# Altium PCB Velvet_Controller_v1.1_2022.PcbDoc (part 2 of 3) (continued)
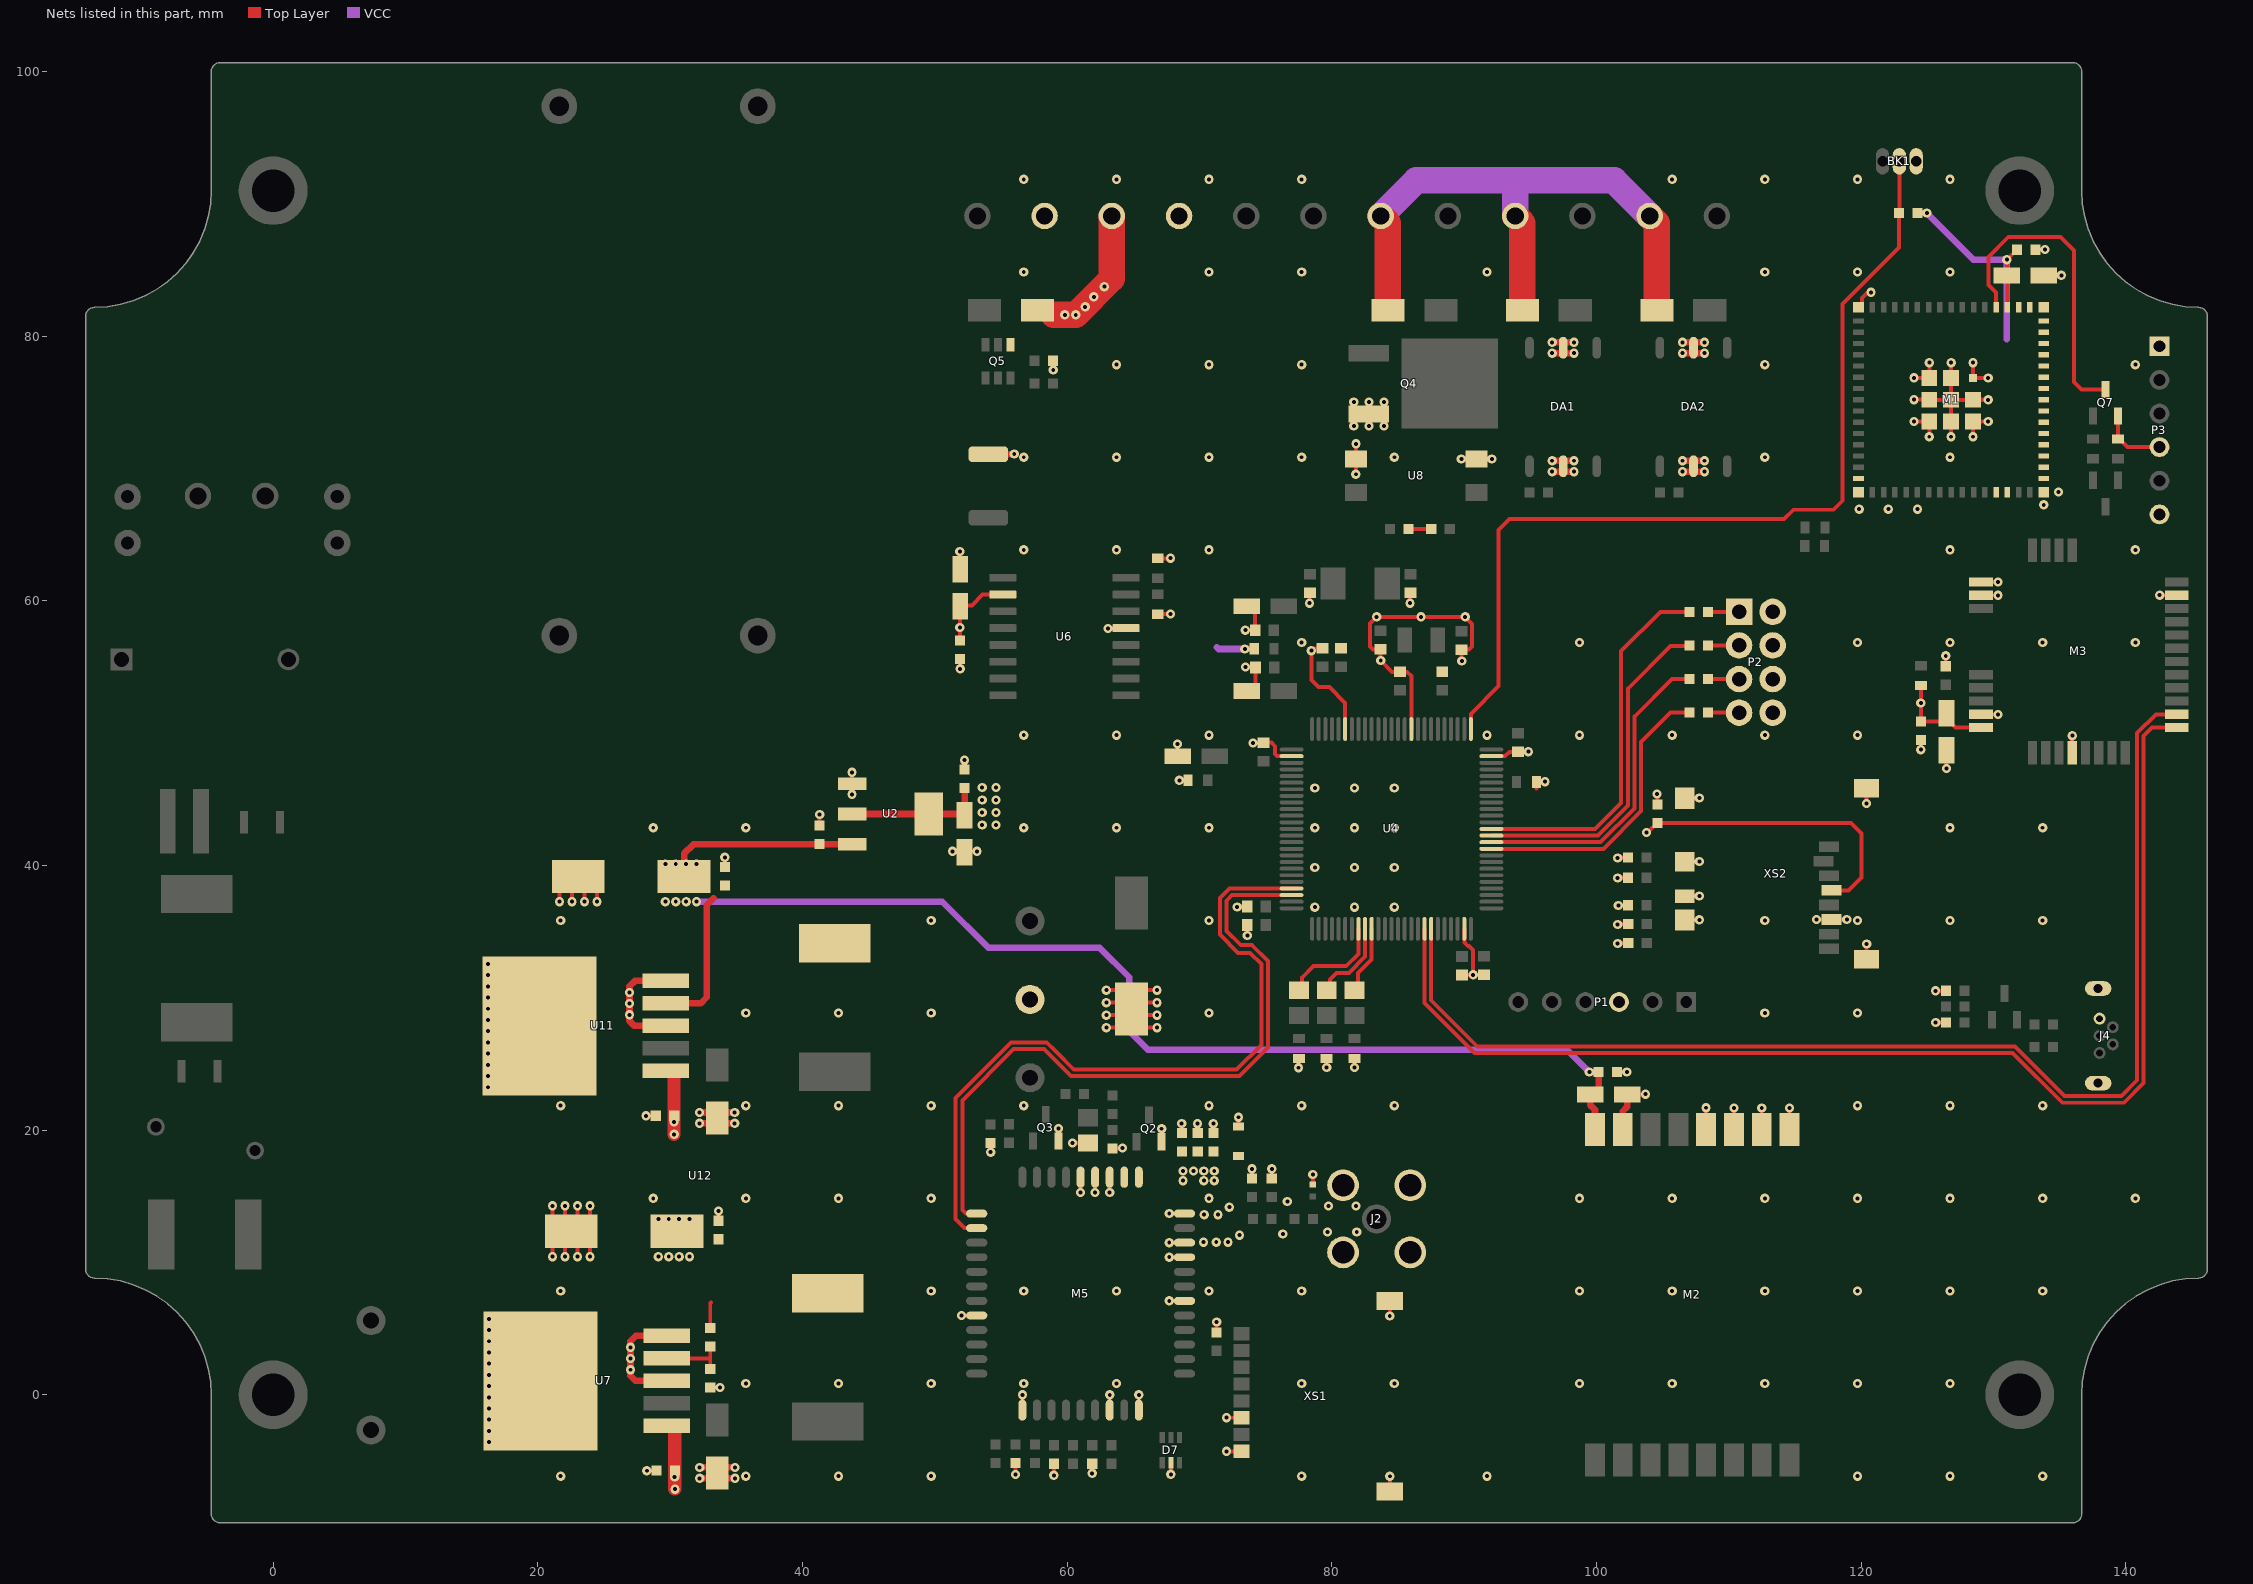
[diagram p4: the nets of this part, all layers, seen from the top]
## Part data (continued)
R40 R41: library part 1, "Chip Resistor", Case/Package=0603, Case Code (Metric)=1608, Manufacturer=Panasonic, Manufacturer Part Number=ERJ-3GEYJ220V, Max Operating Temperature=155°C, Max Power Dissipation=100mW, Min Operating Temperature=-55°C, Resistance=22R, Supplier Part Number 1=P22GDKR-ND, Temperature Coefficient=200ppm/°C, Tolerance=5%, Voltage Rating=75V, Voltage Rating (DC)=50V, Case Code (Imperial)=0603, ComponentLink1Description=https://datasheet.ciiva.com/11821/0900766b80f806dd-11821421.pdf, ComponentLink1URL=https://datasheet.ciiva.com/11821/0900766b80f806dd-11821421.pdf, ComponentLink2Description=https://datasheet.ciiva.com/16775/70255313-16775287.pdf, ComponentLink2URL=https://datasheet.ciiva.com/16775/70255313-16775287.pdf, ComponentLink3Description=https://datasheet.ciiva.com/17210/aoa0000ce1-17210855.pdf, ComponentLink3URL=https://datasheet.ciiva.com/17210/aoa0000ce1-17210855.pdf, ComponentLink4Description=https://datasheet.ciiva.com/24071/aoa0000ce1-37422-24071191.pdf, ComponentLink4URL=https://datasheet.ciiva.com/24071/aoa0000ce1-37422-24071191.pdf, ComponentLink5Description=https://datasheet.ciiva.com/28546/1678796-28546119.pdf, ComponentLink5URL=https://datasheet.ciiva.com/28546/1678796-28546119.pdf, ComponentLink6Description=https://datasheet.ciiva.com/48531/aoa0000ce1-48531767.pdf, ComponentLink6URL=https://datasheet.ciiva.com/48531/aoa0000ce1-48531767.pdf, ComponentLink7Description=https://datasheet.ciiva.com/28686/1678796-28686939.pdf, ComponentLink7URL=https://datasheet.ciiva.com/28686/1678796-28686939.pdf, ComponentLink8Description=https://datasheet.ciiva.com/5868/1500035-5868156.pdf, ComponentLink8URL=https://datasheet.ciiva.com/5868/1500035-5868156.pdf, ComponentLink9Description=https://datasheet.ciiva.com/9117/aoa0000ce1-9117118.pdf, ComponentLink9URL=https://datasheet.ciiva.com/9117/aoa0000ce1-9117118.pdf, ComponentLink10Description=https://datasheet.ciiva.com/16517/aoa0000ce1-16517054.pdf, ComponentLink10URL=https://datasheet.ciiva.com/16517/aoa0000ce1-16517054.pdf, Composition="Thick Film", Contact Plating=Tin, Depth=0.8mm, Features="Automotive AEC-Q200", Height=0.45mm, Lead Free="Lead Free", Length=1.6mm, Military Standard=Not, Mount="Surface Mount", Number of Terminations=2, Package Quantity=1, Packaging="Tape and Reel", Power Rating=100mW, Pricing 1="1=0.1, 10=0.054, 100=0.022, 1000=0.00988, 2500=0.00858 (USD)", Radiation Hardening=No, REACH SVHC="No SVHC", Stock 1=938288, Supplier 1=Digi-Key, Termination=SMD/SMT, Width=0.031inch
R73 R74 R75 R76 R77: library part 1, "Chip Resistor", Case/Package=0603, Case Code (Metric)=1608, Manufacturer=Panasonic, Manufacturer Part Number=ERJ-3EKF4702V, Max Operating Temperature=155°C, Max Power Dissipation=100mW, Min Operating Temperature=-55°C, Resistance=47k, Supplier Part Number 1=P47.0KHDKR-ND, Temperature Coefficient=100ppm/°C, Tolerance=1%, Voltage Rating=75V, Working Voltage=6V, Case Code (Imperial)=0603, ComponentLink1Description=https://datasheet.ciiva.com/6138/aoa0000ce2-6138149.pdf, ComponentLink1URL=https://datasheet.ciiva.com/6138/aoa0000ce2-6138149.pdf, ComponentLink2Description=https://datasheet.ciiva.com/48531/aoa0000ce2-48531029.pdf, ComponentLink2URL=https://datasheet.ciiva.com/48531/aoa0000ce2-48531029.pdf, ComponentLink3Description=https://datasheet.ciiva.com/7802/aoa0000ce2-7802421.pdf, ComponentLink3URL=https://datasheet.ciiva.com/7802/aoa0000ce2-7802421.pdf, ComponentLink4Description=https://datasheet.ciiva.com/16514/aoa0000ce2-16514071.pdf, ComponentLink4URL=https://datasheet.ciiva.com/16514/aoa0000ce2-16514071.pdf, ComponentLink5Description=https://datasheet.ciiva.com/46398/1678782-46398088.pdf, ComponentLink5URL=https://datasheet.ciiva.com/46398/1678782-46398088.pdf, ComponentLink6Description=https://datasheet.ciiva.com/24069/aoa0000ce2-24069209.pdf, ComponentLink6URL=https://datasheet.ciiva.com/24069/aoa0000ce2-24069209.pdf, ComponentLink7Description=https://datasheet.ciiva.com/46398/1678782-46398089.pdf, ComponentLink7URL=https://datasheet.ciiva.com/46398/1678782-46398089.pdf, ComponentLink8Description=https://datasheet.ciiva.com/30236/aoa0000ce2-30236698.pdf, ComponentLink8URL=https://datasheet.ciiva.com/30236/aoa0000ce2-30236698.pdf, ComponentLink9Description=https://datasheet.ciiva.com/22722/426256-22722781.pdf, ComponentLink9URL=https://datasheet.ciiva.com/22722/426256-22722781.pdf, ComponentLink10Description=https://datasheet.ciiva.com/7802/1678782-7802686.pdf, ComponentLink10URL=https://datasheet.ciiva.com/7802/1678782-7802686.pdf, ComponentLink11Description=https://datasheet.ciiva.com/16758/70260748-16758831.pdf, ComponentLink11URL=https://datasheet.ciiva.com/16758/70260748-16758831.pdf, Composition="Thick Film", Contact Plating=Tin, Depth=0.8mm, Features="Automotive AEC-Q200", Height=0.022inch, Lead Free="Lead Free", Length=1.6mm, Military Standard=Not, Mount="Surface Mount", Number of Pins=2, Number of Terminations=2, Package Quantity=1, Packaging="Tape and Reel", Power Rating=100mW, Pricing 1="1=0.1, 10=0.079, 100=0.0323, 1000=0.01449, 2500=0.01258 (USD)", Radiation Hardening=No, REACH SVHC="No SVHC", Stock 1=2918345, Supplier 1=Digi-Key, Termination=SMD/SMT, Voltage Rating (DC)=75V, Width=0.031inch
RV8: library part 11, Current - Surge=4.5kA, Manufacturer="EPCOS Inc", Manufacturer Part Number=S14K250, Maximum AC Volts=250VAC, Maximum DC Volts=320VDC, Package / Case="Disc 14mm", Supplier Part Number 1=495-4375-ND, Varistor Voltage (Min)=351V, Category="Circuit Protection", Code_IPC=RESC2012, ComponentLink1Description=http://www.epcos.com/inf/70/db/var_11/SIOV_Leaded_StandarD.pdf, ComponentLink1URL=http://www.epcos.com/inf/70/db/var_11/SIOV_Leaded_StandarD.pdf, Energy=65J, ID=11, LatestRevisionDate=29-May-2009, LatestRevisionNote="IPC-7351 Footprint Added.", Number of Circuits=1, PackageDescription="Chip Resistor 0805 Case Size", PackageReference=6-0805, PackageVersion=Mar-2003, Packaging=Bulk, Pricing 1="1=0.64, 10=0.449, 100=0.2959, 500=0.2192, 1000=0.18632, 5000=0.1644, 10000=0.15344 (USD)", Published=24-Mar-1999, Publisher="Altium Limited", RoHS="RoHS Compliant", Stock 1=1402, Supplier 1=Digi-Key
TVS2: library part TVS-LXE15AAA1-153
U4: "ARM Cortex-M4 32-bit MCU+FPU, 210 DMIPS, 1024 kB Flash, 192 kB Internal RAM, 82 I/Os, 100-pin LQFP, -40 to 85 degC, Tray", Case/Package=LQFP, Frequency=168MHz, Manufacturer=STMicroelectronics, Manufacturer Part Number=STM32F407VGT6, Max Operating Temperature=85°C, Max Supply Voltage=3.6V, Min Operating Temperature=-40°C, Min Supply Voltage=1.8V, Package Quantity=90, Supplier Part Number 1=497-11605-ND, Address Bus Width=32b, ComponentLink1Description="Manufacturer URL", ComponentLink1URL=http://www.st.com/web/en/home.html, ComponentLink2Description=Datasheet, ComponentLink2URL=http://www.st.com/st-web-ui/static/active/en/resource/technical/document/datasheet/DM00037051.pdf, ComponentLink3Description="Package Specification", ComponentLink3URL=http://www.st.com/st-web-ui/static/active/en/resource/technical/document/data_brief/DM00071938.pdf, ComponentLink4Description=https://datasheet.ciiva.com/14132/stm32f407vgt6-tds-eng-14132567.pdf, ComponentLink4URL=https://datasheet.ciiva.com/14132/stm32f407vgt6-tds-eng-14132567.pdf, ComponentLink5Description=https://datasheet.ciiva.com/4842/dm00037051-492832-4842280.pdf, ComponentLink5URL=https://datasheet.ciiva.com/4842/dm00037051-492832-4842280.pdf, ComponentLink6Description=https://datasheet.ciiva.com/48687/001075599-da-01-en-mcu-32bt-1mb-stm32f407vgt6-lqfp-100-stm-48687547.pdf, ComponentLink6URL=https://datasheet.ciiva.com/48687/001075599-da-01-en-mcu-32bt-1mb-stm32f407vgt6-lqfp-100-stm-48687547.pdf, Core Architecture=ARM, Data Bus Width=32b, Height=1.45mm, Interface=I2C,SPI,USB,CAN,Ethernet,I2S,IrDA,UART,USART,LIN,EBI/EMI, Lead Free="Lead Free", Length=14.2mm, Max Frequency=168MHz, Memory Size=1024KB, Memory Type=FLASH, Number of ADC Channels=16, Number of Ethernet Channels=1, Number of I2C Channels=3, Number of I/Os=82, Number of Pins=100, Number of Programmable I/O=82, Number of PWM Channels=2, Number of SPI Channels=3, Number of Timers/Counters=14, Number of UART Channels=2, Oscillator Type=Internal, Packaging=Tray, Peripherals="Brown-out Detect/Reset,POR,PWM,WDT,DMA,LCD,I2C", Pricing 1="1=12.74, 10=11.713, 100=9.8925, 500=8.80006, 1000=8.07177 (USD)", Radiation Hardening=No, RAM Size=196KB, REACH SVHC="No SVHC", Stock 1=9556, Supplier 1=Digi-Key, Watchdog Timer=Yes, Width=14.2mm
U6: library part DS3231M-IL16-RTC, "+/-5ppm, MEMS based Real-Time Clock, I2C Interface, 16-Pin SO, -40 to 85 degC, Pb-Free, Reel", Code_IPC=SOIC127P1030-16, Code_JEDEC=MS-013-AA, ComponentLink1Description="Manufacturer URL", ComponentLink1URL=http://www.maxim-ic.com, ComponentLink2Description=Datasheet, ComponentLink2URL=http://datasheets.maxim-ic.com/en/ds/DS3231M.pdf, ComponentLink3Description="Package Specification", ComponentLink3URL=http://pdfserv.maxim-ic.com/package_dwgs/21-0042.PDF, DatasheetVersion="Rev 3, Dec-2011", PackageDescription="16-Pin Small-Outline IC, Wide (0.3in), 1.27 mm Pitch, SOIC (W), Pb-Free", PackageReference=W16MK+1, PackageVersion="revD, 2010"
U8: "4-Pin Phototransistor Optocoupler", Case/Package=SMD/SMT, Clamping Voltage=14.5V, Collector Emitter Saturation Voltage=300mV, Collector Emitter Voltage (VCEO)=80V, Current Transfer Ratio=400%, Forward Current=20mA, Forward Voltage=1.4V, Isolation Voltage=3.75kV, Manufacturer=Toshiba, Manufacturer Part Number=LTV-817S-TA1, Max Collector Current=50mA, Max Operating Temperature=110°C, Max Power Dissipation=200mW, Max Reverse Leakage Current=20uA, Min Breakdown Voltage=7.2V, Min Operating Temperature=-55°C, Package Quantity=1, Peak Pulse Current=160A, Peak Pulse Power=400W, Reverse Standoff Voltage=6.5V, Supplier Part Number 1=TLP184(TPRE)CT-ND, Test Current=10mA, ComponentLink1Description=https://datasheet.ciiva.com/2086/tlp184-datasheet-en-20140908-2086688.pdf?src-supplier=Digi-Key, ComponentLink1URL=https://datasheet.ciiva.com/2086/tlp184-datasheet-en-20140908-2086688.pdf?src-supplier=Digi-Key, Direction=Unidirectional, Element Configuration=Single, Max Output Voltage=80V, Mount="Surface Mount", Number of Channels=1, Number of Elements=1, Number of Pins=4, Output Current per Channel=50mA, Packaging="Tape and Reel", Power Dissipation=200mW, Pricing 1="1 = 0,73000, 10 = 0,52800, 25 = 0,43080, 100 = 0,34460, 250 = 0,29076, 500 = 0,24768, 1000 = 0,19384 (USD)", Radiation Hardening=No, RoHS=Yes, Stock 1=8604, Supplier 1=Digi-Key
U12: "AC-DC ~230-12"
XS1: library part "WE-Card Connectors 693022010811", "WR-CRD Micro SIM_Hinge_8 pins", Manufacturer="Würth Elektronik eiSos GmbH", partNo=693022010811, ComponentLink1 Description=Manufacturer, ComponentLink1URL=http://www.we-online.de, ComponentLink2 Description=Datasheet, ComponentLink2URL=http://katalog.we-online.de/em/datasheet/693022010811.pdf, Created by="Karrer Zheng", Created Date=10/20/2014, NoPins=8
XS2: library part MICROSD, "=Description", Manufacturer=Molex, Manufacturer Part Number=105162-0001, Max Operating Temperature=85°C, Max Voltage Rating (DC)=5V, Min Operating Temperature=-40°C, Package Quantity=6000, Supplier Part Number 1=WM14405DKR-ND, ComponentLink1Description=https://datasheet.ciiva.com/29723/1051620101-sd-29723393.pdf, ComponentLink1URL=https://datasheet.ciiva.com/29723/1051620101-sd-29723393.pdf, Connector Type=Connector, Contact Material=Bronze, Contact Plating=Gold, Depth=7.6mm, Housing Material=Thermoplastic, Length=11.3mm, Mount="Surface Mount", Number of Circuits=8, Number of Contacts=8, Number of Rows=1, Orientation="Right Angle", Packaging="Tape and Reel", Pitch=1.09mm, Pricing 1="1=0.88, 10=0.774, 100=0.6677, 500=0.54628, 1000=0.48558 (USD)", Radiation Hardening=No, Stock 1=9741, Supplier 1=Digi-Key, Termination=Solder
Y1: library part 1, "Crystal Oscillator", Case/Package=CSMD, ESR (Equivalent Series Resistance)=500R, Frequency=8MHz, Frequency Stability=30ppm, Frequency Tolerance=20ppm, Load Capacitance=18pF, Manufacturer="Abracon Corporation", Manufacturer Part Number=ABM3-8.000MHZ-D2Y-T, Max Operating Temperature=85°C, Min Operating Temperature=-40°C, Package Quantity=1000, Supplier Part Number 1=535-10630-1-ND, ComponentLink1Description=https://datasheet.ciiva.com/4945/abm3-47699-4945424.pdf, ComponentLink1URL=https://datasheet.ciiva.com/4945/abm3-47699-4945424.pdf, ComponentLink2Description=https://datasheet.ciiva.com/862/abm3-862465.pdf, ComponentLink2URL=https://datasheet.ciiva.com/862/abm3-862465.pdf, ComponentLink3Description=https://datasheet.ciiva.com/862/abm3-862466.pdf, ComponentLink3URL=https://datasheet.ciiva.com/862/abm3-862466.pdf, ComponentLink4Description=https://datasheet.ciiva.com/862/abm3-862467.pdf, ComponentLink4URL=https://datasheet.ciiva.com/862/abm3-862467.pdf, ComponentLink5Description=https://datasheet.ciiva.com/1357/1754353-1357270.pdf, ComponentLink5URL=https://datasheet.ciiva.com/1357/1754353-1357270.pdf, ComponentLink6Description=https://datasheet.ciiva.com/3174/abm3-3174137.pdf, ComponentLink6URL=https://datasheet.ciiva.com/3174/abm3-3174137.pdf, ComponentLink7Description=https://datasheet.ciiva.com/26812/getdatasheetpartid-723821-26812186.pdf, ComponentLink7URL=https://datasheet.ciiva.com/26812/getdatasheetpartid-723821-26812186.pdf, ComponentLink8Description=https://datasheet.ciiva.com/5788/abm3-5788043.pdf, ComponentLink8URL=https://datasheet.ciiva.com/5788/abm3-5788043.pdf, ComponentLink9Description=https://datasheet.ciiva.com/16392/abm3-16392475.pdf, ComponentLink9URL=https://datasheet.ciiva.com/16392/abm3-16392475.pdf, ComponentLink10Description=https://datasheet.ciiva.com/7998/abm3-7998589.pdf, ComponentLink10URL=https://datasheet.ciiva.com/7998/abm3-7998589.pdf, Composition=Ceramic, Depth=3.2mm, Height=0.051inch, ID=1, LatestRevisionDate=02-Jul-2014, Lead Free="Lead Free", Length=5mm, Mount="Surface Mount", Number of Pins=2, Packaging="Tape and Reel", Pricing 2="1=0.63, 10=0.523, 50=0.4702, 100=0.418, 500=0.3971 (USD)", Publisher="Ruslan Gimazetdinov", Radiation Hardening=No, REACH SVHC=Unknown, Series Resistance=500R, Stock 2=119467, Supplier 1=Digi-Key, Supplier 2=Digi-Key, Supplier Part Number 2=535-10630-6-ND, Termination=SMD/SMT, Tolerance=20ppm, Width=3.2mm
Y2: library part 1, "Crystal Oscillator", Case/Package=SMD/SMT, ESR (Equivalent Series Resistance)=70kR, Frequency=32.768kHz, Frequency Tolerance=20ppm, Load Capacitance=12.5pF, Manufacturer="ECS International", Manufacturer Part Number=ECS-.327-12.5-34B-TR, Max Operating Temperature=85°C, Min Operating Temperature=-40°C, Package Quantity=3000, Supplier Part Number 1=XC1617DKR-ND, ComponentLink1Description=http://www.ecsxtal.com/store/pdf/partnumber4.pdf, ComponentLink1URL=http://www.ecsxtal.com/store/pdf/partnumber4.pdf, ComponentLink2Description=http://www.mouser.com/ds/2/122/ecx-31b-1108368.pdf, ComponentLink2URL=http://www.mouser.com/ds/2/122/ecx-31b-1108368.pdf, Height=0.035inch, Length=0.126inch, Mount="Surface Mount", Number of Pins=2, Packaging="Tape and Reel", Pricing 1="1=0.54, 10=0.448, 50=0.4034, 100=0.3586, 500=0.34068, 1000=0.28688 (USD)", Stock 1=274347, Supplier 1=Digi-Key, Termination=SMD/SMT, Width=0.059inch

## Free pads (board coordinates)
  round 5.2 hole 3.2: MH(0,0) MH(0,91) MH(132,0) MH(132,91)

## Via types
v1: diameter 0.7, hole 0.3, Top Layer to Bottom Layer, tented both sides, 438 vias

## Nets (pads, with @x,y where several pads share a name; then routed paths per layer and width w, separated by ;. In a path a pad name is that pad's centre, name@x,y a point inside that pad or via, vN(x,y) a via of type N, cw(c..) or ccw(c..) an arc to the next point about the centre after c; other vN are vias at no path point)
"1 Wire_TMP": BK1.2 R42.1 U4.1 | length 70.2
  Top Layer w0.3: U4.1@90.515,50.311 90.515,51.46 92.616,53.561 92.616,65.362 93.431,66.176 114.184,66.176 114.89,66.883 117.911,66.883 118.593,67.564 118.593,82.423 122.857,86.687 R42.1@122.857,89.294 ; R42.1@122.895,89.332 BK1.2@122.895,93.214
4V_FB: R21.2 R22.2 U7.4 | length 4.8
  Top Layer w0.3: U7.4@29.753,2.754 32.885,2.754 ; R22.2@33.032,1.949 33.032,2.901 R21.2@33.032,3.656
12V_VDD: C38.2 C44.2 D1.2 J5.2 Q5.4 U7.1 U11.1 | length 22.6
  Top Layer w0.5: C44.2@30.367,-5.736 U7.1@30.367,-2.539
  Top Layer w1: U11.1@30.292,24.283 30.292,19.695 v1(30.302,19.685) ; v1@30.35,-7.127 U7.1@30.35,-2.539
  Top Layer w2: D1.2@58.998,81.613 v1(59.826,81.613) v1(60.655,81.613) 63.379,84.337 J5.2@63.379,89.082
  other v1: 30.36,-7.137 30.344,-6.208 30.287,20.615 61.366,82.22 62.017,82.975 62.814,83.744
+3.3V: C3.1 C9.1 C32.2 C33.2 C34.1 C36.1 C37.2 C40.2 C64.2 L3.1 L9.1 M1.3 M3.24 P2.2 P2.4 P3.1 R2.2 R4.1 R25.1 R37.1 R42.2 R73.2 R74.2 R75.2 R76.2 R77.2 U2.2 U6.2 XS2.4 | length 76.3
  Top Layer w0.3: C37.2@51.898,57.001 51.898,59.577 51.977,59.656 52.798,59.656 53.619,60.477 U6.2@55.143,60.477 ; R25.1@66.853,58.991 66.86,58.998 67.761,58.998 v1@67.767,59.004 ; R4.1@66.859,63.215 v1@67.761,63.215 ; v1(68.478,46.431) 69.123,46.431 L3.1@69.135,46.443 ; v1@101.556,40.598 R73.2@102.33,40.598 ; v1@101.61,36.995 R75.2@102.384,36.995 ; v1@101.632,34.135 R76.2@102.407,34.135 ; v1@101.632,35.565 R77.2@102.407,35.565 ; v1@101.632,39.074 R74.2@102.384,39.074 R74.2@102.407,39.074 ; v1(103.784,42.494) 103.842,42.552 103.953,42.552 C64.2@104.607,43.205 119.233,43.205 120.034,42.404 120.034,39.087 119.063,38.116 XS2.4@117.774,38.116 ; R42.2@124.254,89.294 124.968,89.294 v1(124.968,89.306) ; R2.2@124.521,53.593 124.521,51.455 C33.2@124.521,50.874 C34.1@126.298,50.874 ; v1@125.631,30.531 R37.1@126.408,30.531 ; C34.1@126.457,51.501 126.457,51.101 127.136,50.422 M3.24@129.058,50.422 ; C9.1@131.02,84.595 v1(131.02,85.779) C32.2@131.772,86.531 ; C9.1@131.026,84.595 131.057,84.563 M1.3@131.057,82.198
  Top Layer w0.5: U2.2@43.755,43.891 U2.2@49.555,43.891 52.18,43.891 C3.1@52.26,43.811 C40.2@52.26,45.864 ; v1(73.431,56.363) 73.438,56.369 74.133,56.369 L9.1@74.14,56.375
  VCC w0.5: 71.323,56.49 71.45,56.363 v1(73.431,56.363) ; v1(124.968,89.306) 128.496,85.779 v1(131.02,85.779) 131.02,79.763
  other v1: 125.623,30.523 101.607,34.11 101.607,35.54 101.66,36.97 101.607,39.048 101.607,40.573 53.58,43.056 54.624,43.056 53.58,44.002 54.624,44.002 53.58,44.949 54.624,44.949 53.58,45.895 54.624,45.895 124.521,52.286 51.892,57.988 67.818,59.004 67.818,63.222
+4V: C5.2 C8.2 C28.2 C43.1 C49.2 D6.1 D12.1 L8.2 M5.34 M5.35 R21.1 | length 3.1
  Top Layer w0.3: R21.1@33.032,5.053 33.032,6.92 33.098,6.986 ; v1(60.409,19.034) D6.1@61.578,19.034
  other v1: 29.108,10.439 29.896,10.439 30.683,10.439 31.471,10.439 29.108,13.284 29.896,13.284 30.683,13.284 31.471,13.284 68.758,16.18 70.333,16.18 71.12,16.18 68.758,16.916 69.545,16.916 70.333,16.916 71.12,16.916
+5V: C4.2 C6.2 C7.1 C39.2 C41.1 L7.2 M2.9 U2.3 U11.4 | length 106.5
  Top Layer w0.5: U11.4@29.678,29.576 32.313,29.576 32.772,30.035 32.772,37.02 33.28,37.528 ; C41.1@31.057,39.181 31.057,40.894 31.754,41.591 U2.3@43.755,41.591 ; v1(99.466,24.384) 99.468,24.386 100.173,24.386 C6.2@100.175,24.387 100.175,23.055 99.825,22.705 C7.1@99.524,22.705 99.524,21.905 99.895,21.533 M2.9@99.895,20.056
  VCC w0.5: v1(32,37.262) 50.572,37.262 54.051,33.782 62.459,33.782 64.694,31.547 64.694,27.483 66.091,26.086 97.765,26.086 v1(99.466,24.384)
  other v1: 29.638,37.262 30.425,37.262 31.212,37.262 29.638,40.106 30.425,40.106 31.212,40.106 32,40.106
+12V: R14.2 R15.2 | length 1.7
  Top Layer w0.3: R15.2@85.814,65.43 86.395,65.43 R14.2@87.521,65.43
+24V: D8.2 D10.2 D11.2 J1.2 J6.2 J7.2 | length 46
  Top Layer w2: J1.2@83.701,89.082 84.241,88.542 D8.2@84.241,82.369 ; J6.2@93.863,89.082 94.403,88.542 D10.2@94.403,82.369 ; J7.2@104.026,89.082 104.566,88.542 D11.2@104.566,82.369
  VCC w2: J1.2@83.701,89.082 86.389,91.77 93.863,91.77 ; J6.2@93.863,89.082 93.863,91.77 ; J7.2@104.026,89.082 101.338,91.77 93.863,91.77
DTR: P3.4 Q7.2 R11.2 | length 5.6
  Top Layer w0.3: Q7.2@139.427,73.965 R11.2@139.427,72.238 139.527,72.238 140.15,71.615 P3.4@143.062,71.615
GND: BAT1.2 BK1.1 C3.2 C4.1 C5.1 C6.1 C7.2 C8.1 C9.2 C10.2 C11.2 C12.2 C13.2 C14.1 C15.1 C16.2 C17.1 C18.1 C19.1 C20.1 C21.1 C22.1 C23.1 C24.2 C25.1 C26.2 C27.1 C28.1 C29.1 C30.1 C31.1 C32.1 C33.1 C34.2 C35.1 C36.2 C37.1 C38.1 C39.1 C40.1 C41.2 C42.2 C43.2 C44.1 C45.1 C46.1 C47.1 C48.1 C49.1 C64.1 D2.1 D7.2 D9.1 D12.2 DA1.2 DA1.5 DA2.2 DA2.5 J2.2 J3.1 J4.5 J4.S J5.1 M1.1 M1.2 M1.30 M1.42 M1.43 M1.46 M1.47 M1.48 M1.49 M1.50 M1.51 M1.52 M1.53 M1.54 M1.55 M1.56 M1.57 M1.58 M1.59 M1.60 M1.61 M1.62 M1.63 M1.64 M1.65 M2.10 M2.13 M2.14 M2.15 M2.16 M3.11 M3.17 M3.18 M3.23 M3.28 M5.8 M5.13 M5.19 M5.21 M5.27 M5.30 M5.31 M5.33 M5.36 M5.37 P1.3 P2.6 P2.8 P3.6 Q2.2 Q3.2 Q4.3 R6.2 R7.1 R8.2 R9.2 R10.1 R13.1 R22.1 R24.2 R39.1 TVS2.1 U2.1 U4.10 U4.20 U4.27 U4.74 U4.99 U6.13 U7.3 U7.5 U7.6 U8.2 U8.3 U11.3 U11.5 U11.6 U12.4 XS1.C7 XS1.C8 XS1.Z1 XS1.Z2 XS2.6 XS2.9 XS2.10 | length 247.4
  Top Layer w0.3: v1(21.108,10.439) v1(21.108,14.277) ; v1(21.638,37.262) C41.2@21.638,39.421 ; v1(22.055,10.439) v1(22.055,14.277) ; v1(22.584,37.262) C41.2@22.584,39.878 ; v1(23.001,10.439) v1(23.001,14.277) ; v1(23.53,37.262) C41.2@23.53,40.056 ; v1(23.948,10.439) v1(23.948,14.277) ; v1(24.477,37.262) C41.2@24.477,39.827 ; v1@28.187,21.086 C38.1@28.912,21.086 ; v1@28.245,-5.736 C44.1@28.97,-5.736 ; R22.1@33.032,0.552 v1@33.757,0.552 ; C5.1@33.653,13.148 v1@33.653,13.873 ; v1(34.138,40.615) 34.143,40.609 34.143,39.884 C4.1@34.149,39.878 ; C39.1@41.3,43.015 v1(41.3,43.848) ; v1(43.739,45.375) U2.1@43.739,46.208 ; v1(43.739,47.041) U2.1@43.739,46.208 ; U2.1@43.755,46.191 U2.1@43.739,46.208 ; v1(51.333,41.072) 52.199,41.072 C3.2@52.26,41.011 52.32,41.072 v1(53.188,41.072) ; v1(51.892,63.729) 51.892,62.434 C36.2@51.923,62.402 ; C37.1@51.898,55.604 51.908,55.594 51.908,54.874 v1(51.918,54.864) ; v1@52.025,5.993 M5.8@53.169,5.993 ; v1(52.248,47.955) 52.254,47.949 52.254,47.267 C40.1@52.26,47.261 ; v1@54.215,18.348 R13.1@54.215,19.034 ; v1@56.115,-6.013 C48.1@56.115,-5.146 ; M5.13@56.619,-1.157 v1@56.619,-0.012 ; R24.2@58.925,78.143 58.939,78.129 58.939,77.306 v1@58.953,77.292 ; v1@59.008,-6.077 C47.1@59.008,-5.21 ; Q3.2@59.36,19.431 v1@59.36,20.117 ; v1(61.011,15.291) 61.015,15.295 61.015,16.439 M5.37@61.019,16.443 ; v1@61.901,-6.077 C46.1@61.901,-5.21 ; v1@62.119,15.299 M5.37@62.119,16.443 ; v1(62.962,27.74) v1(66.8,27.74) ; v1(62.962,28.686) v1(66.8,28.686) ; v1(62.962,29.633) v1(66.8,29.633) ; v1(62.962,30.579) v1(66.8,30.579) ; v1(63.094,57.912) 63.106,57.925 64.441,57.925 U6.13@64.453,57.937 ; M5.19@63.219,-1.157 v1@63.219,-0.012 ; v1@63.219,15.299 M5.36@63.219,16.443 ; R10.1@63.425,18.615 64.156,18.615 v1(64.194,18.653) ; M5.21@65.419,-1.157 v1@65.419,-0.012 ; Q2.2@67.158,19.406 v1@67.158,20.091 ; v1@67.725,7.093 M5.27@68.869,7.093 ; v1@67.725,10.393 M5.30@68.869,10.393 ; v1@67.725,11.493 M5.31@68.869,11.493 ; v1@67.725,13.693 M5.33@68.869,13.693 ; v1@67.852,-5.998 D7.2@67.852,-5.131 ; v1(68.351,49.174) 68.351,48.273 C16.2@68.367,48.257 ; v1(68.656,20.498) 68.668,20.486 68.668,19.801 C8.1@68.679,19.789 ; C28.1@69.872,19.789 v1@69.872,20.475 ; C49.1@71.066,19.789 v1@71.066,20.475 ; C45.1@71.306,4.721 71.306,5.499 v1(71.307,5.499) ; v1@72.043,-4.276 XS1.C8@73.187,-4.276 ; v1@72.043,-1.736 XS1.C7@73.187,-1.736 ; v1(72.857,36.868) 72.88,36.891 C15.1@73.615,36.891 ; D12.2@72.963,20.276 v1@72.963,20.962 ; v1(73.465,57.784) C27.1@74.206,57.784 ; v1(73.482,54.991) 74.224,54.991 C25.1@74.24,54.975 74.24,53.625 73.79,53.175 C24.2@73.569,53.175 ; C26.2@73.569,59.586 73.764,59.586 74.214,59.136 C27.1@74.214,57.776 ; C18.1@73.605,35.491 73.612,35.484 73.612,34.741 v1@73.619,34.734 ; C29.1@73.973,16.341 v1(73.973,17.078) ; v1(74.051,49.263) 74.058,49.27 74.831,49.27 C19.1@74.838,49.277 75.433,49.277 75.702,49.009 75.702,48.437 75.877,48.261 U4.27@76.965,48.261 ; C30.1@75.468,16.341 v1(75.468,17.078) ; v1(77.495,24.714) 77.495,25.398 R6.2@77.515,25.418 ; v1(78.325,59.824) C13.2@78.325,60.578 ; TVS2.1@78.571,15.904 v1(78.571,16.642) ; C20.1@79.299,56.428 79.285,56.413 78.638,56.413 v1(78.461,56.236) 78.461,54.026 78.994,53.492 79.815,53.492 81.015,52.292 U4.20@81.015,50.311 ; v1(79.618,24.734) R8.2@79.618,25.418 ; v1(81.722,24.734) R9.2@81.722,25.418 ; v1@81.826,69.57 U8.3@81.826,70.714 v1@81.826,71.859 ; XS1.Z1@84.387,-7.306 v1@84.387,-6.161 ; v1@84.387,5.95 XS1.Z2@84.387,7.094 ; C21.1@85.023,54.51 84.9,54.633 84.556,54.633 v1(83.703,55.486) 83.691,55.497 C12.2@83.691,56.336 83.107,56.336 82.891,56.551 82.891,58.281 v1(83.399,58.788) v1(86.739,58.788) v1(90.079,58.788) 90.616,58.252 90.616,56.538 90.385,56.307 C10.2@89.816,56.307 v1@89.816,55.469 ; C21.1@85.15,54.637 85.686,54.637 86.015,54.307 U4.10@86.015,50.311 ; v1(85.914,59.824) C11.2@85.914,60.578 ; v1@89.801,70.714 U8.2@90.945,70.714 v1@92.089,70.714 ; C14.1@89.846,31.723 90.673,31.723 v1(90.688,31.737) ; U4.74@90.015,35.211 90.015,34.191 90.277,33.929 90.385,33.929 90.688,33.627 v1(90.688,31.737) ; C17.1@91.5,31.734 90.691,31.734 v1(90.688,31.737) ; U4.99@92.065,48.261 93.089,48.261 93.417,48.589 C23.1@94.066,48.589 v1@94.864,48.589 ; v1@94.729,48.589 v1@94.743,48.603 ; 95.466,45.812 95.476,45.822 ; R7.1@95.476,46.33 v1(96.114,46.33) ; C6.1@101.572,24.387 102.286,24.387 v1(102.295,24.397) ; C7.2@102.324,22.705 103.702,22.705 v1(103.718,22.72) ; C64.1@104.607,44.602 v1@104.607,45.377 ; XS2.10@106.674,35.876 v1@107.761,35.876 ; XS2.10@106.674,37.676 v1@107.761,37.676 ; XS2.10@106.674,40.276 107.761,40.276 v1(107.782,40.297) ; XS2.10@106.674,45.076 v1@107.761,45.076 ; v1(108.28,21.692) 108.28,20.071 M2.13@108.295,20.056 ; M2.14@110.395,20.056 v1(110.395,21.677) ; M2.15@112.495,20.056 v1(112.495,21.677) ; M2.16@114.595,20.056 v1(114.595,21.677) ; v1@116.629,35.916 XS2.6@117.774,35.916 v1@118.918,35.916 ; M1.63@119.807,82.198 120.057,82.448 120.057,82.872 v1@120.498,83.312 ; XS2.9@120.424,32.926 v1@120.424,34.07 ; v1@120.424,44.681 XS2.9@120.424,45.826 ; v1@124.013,73.548 M1.61@125.157,73.548 v1@125.157,72.403 ; v1@124.013,75.198 M1.61@125.157,75.198 125.162,75.193 M1.61@126.807,75.193 ; v1@124.013,76.848 M1.61@125.157,76.848 v1@125.157,77.992 ; v1(124.52,48.755) C33.1@124.521,49.477 ; v1@125.646,28.138 R39.1@126.422,28.138 ; C35.1@126.4,55.054 v1(126.4,55.842) ; v1(126.451,47.333) 126.457,47.339 C34.2@126.457,48.701 ; v1(126.803,72.399) 126.807,72.403 M1.61@126.807,73.548 M1.61@126.807,75.193 ; v1(126.812,77.996) 126.807,77.992 M1.61@126.807,76.848 M1.61@126.807,75.198 M1.61@126.807,75.193 ; v1@128.457,72.403 M1.61@128.457,73.548 v1@129.602,73.548 ; M1.61@128.457,75.198 v1@129.602,75.198 ; v1@128.457,77.992 M1.61@128.457,76.848 v1@129.602,76.848 ; M3.23@129.058,51.422 v1@130.337,51.422 ; M3.18@129.058,60.422 v1@130.337,60.422 ; M3.17@129.058,61.422 v1@130.337,61.422 ; v1(129.606,75.193) M1.61@126.807,75.193 ; C32.1@133.169,86.531 133.179,86.541 133.883,86.541 v1(133.893,86.55) ; C9.2@133.82,84.595 v1(135.138,84.595) ; M3.28@135.958,48.522 v1@135.958,49.801 ; v1@142.579,60.422 M3.11@143.858,60.422
  Top Layer w0.5: U11.3@29.678,27.876 27.311,27.876 26.93,28.257 26.93,30.866 27.34,31.276 U11.5@29.678,31.276 ; U7.3@29.753,1.054 27.386,1.054 27.005,1.435 27.005,4.044 27.415,4.454 U7.5@29.753,4.454 ; v1(32.215,20.51) v1(34.882,20.51) ; v1(32.215,21.334) v1(34.882,21.334) ; v1(32.23,-6.313) v1(34.897,-6.313) ; v1(32.23,-5.489) v1(34.897,-5.489) ; BAT1.2@54.05,71.078 54.059,71.086 55.999,71.086 v1(56.007,71.095) ; v1(81.669,73.208) v1(81.669,75.028) ; Q4.3@82.685,74.221 82.788,74.118 82.812,74.141 v1(82.812,75.028) ; v1(82.812,73.208) Q4.3@82.812,74.094 ; v1(83.955,73.208) v1(83.955,75.028) ; v1(96.655,69.761) v1(98.306,69.761) ; v1(96.655,70.585) v1(98.306,70.585) ; v1(96.655,78.711) v1(98.306,78.711) ; v1(96.655,79.535) v1(98.306,79.535) ; DA1.5@97.398,78.857 97.468,78.926 DA1.5@97.468,79.123 ; M2.10@101.995,20.056 101.995,21.429 102.324,21.758 C7.2@102.324,22.705 ; v1(106.51,69.761) v1(108.161,69.761) ; v1(106.51,70.585) v1(108.161,70.585) ; v1(106.51,78.711) v1(108.161,78.711) ; v1(106.51,79.535) v1(108.161,79.535)
  other v1: 21.725,-6.15 35.725,-6.15 42.725,-6.15 49.725,-6.15 77.725,-6.15 84.391,-6.157 91.725,-6.15 119.725,-6.15 126.725,-6.15 133.725,-6.15 58.998,-6.086 56.106,-6.023 67.842,-6.008 61.891,-5.934 28.239,-5.742 72.039,-4.272 16.305,-3.581 16.305,-2.734 16.305,-1.886 72.039,-1.732 16.305,-1.039 16.305,-0.192 56.623,-0.008 63.223,-0.008 65.423,-0.008 33.763,0.558 16.305,0.656 35.725,0.85 42.725,0.85 49.725,0.85 56.725,0.85 63.725,0.85 77.725,0.85 84.725,0.85 98.725,0.85 105.725,0.85 112.725,0.85 119.725,0.85 126.725,0.85 16.305,1.503 27.005,1.892 16.305,2.351 27.005,2.739 16.305,3.198 27.005,3.587 16.305,4.046 16.305,4.893 16.305,5.741 84.383,5.946 52.021,5.997 67.721,7.098 21.725,7.85 49.725,7.85 56.725,7.85 63.725,7.85 70.725,7.85 77.725,7.85 98.725,7.85 105.725,7.85 112.725,7.85 119.725,7.85 126.725,7.85 133.725,7.85 67.721,10.397 67.721,11.498 70.307,11.532 71.272,11.532 72.161,11.532 73.025,12.065 76.302,12.141 79.68,12.294 81.89,12.294 70.358,13.614 71.399,13.614 67.721,13.698 33.647,13.879 72.263,14.173 79.756,14.275 81.839,14.275 76.647,14.609 28.725,14.85 35.725,14.85 42.725,14.85 49.725,14.85 70.725,14.85 98.725,14.85 105.725,14.85 112.725,14.85 119.725,14.85 126.725,14.85 133.725,14.85 140.725,14.85 62.115,15.295 63.215,15.295 54.226,18.337 67.146,20.103 59.348,20.128 69.861,20.486 71.054,20.486 72.952,20.973 28.181,21.08 21.725,21.85 35.725,21.85 42.725,21.85 49.725,21.85 56.725,21.85 70.725,21.85 77.725,21.85 84.725,21.85 119.725,21.85 126.725,21.85 133.725,21.85 16.231,23.241 16.231,24.088 16.231,24.936 16.231,25.783 16.231,26.631 16.231,27.478 125.638,28.13 16.231,28.326 26.93,28.714 35.725,28.85 42.725,28.85 49.725,28.85 70.725,28.85 112.725,28.85 119.725,28.85 16.231,29.173 26.93,29.562 16.231,30.02 26.93,30.409 16.231,30.868 16.231,31.715 16.231,32.563 120.428,34.074 73.619,34.709 21.725,35.85 49.725,35.85 70.725,35.85 112.725,35.85 119.725,35.85 126.725,35.85 133.725,35.85 107.782,35.897 118.922,35.912 116.625,35.92 78.725,36.85 81.725,36.85 84.725,36.85 107.782,37.697 78.725,39.85 81.725,39.85 84.725,39.85 28.725,42.85 35.725,42.85 56.725,42.85 63.725,42.85 70.725,42.85 78.725,42.85 81.725,42.85 84.725,42.85 126.725,42.85 133.725,42.85 120.42,44.677 107.782,45.097 104.581,45.402 78.725,45.85 81.725,45.85 84.725,45.85 94.853,48.603 135.966,49.809 56.725,49.85 63.725,49.85 70.725,49.85 91.725,49.85 98.725,49.85 105.725,49.85 112.725,49.85 119.725,49.85 130.345,51.414 89.827,55.457 77.725,56.85 98.725,56.85 119.725,56.85 126.725,56.85 133.725,56.85 140.725,56.85 130.345,60.414 142.572,60.43 130.345,61.414 56.725,63.85 63.725,63.85 70.725,63.85 126.725,63.85 140.725,63.85 119.863,66.929 122.063,66.929 124.264,66.929 133.807,67.259 134.925,68.224 81.822,69.566 92.094,70.71 89.797,70.718 56.725,70.85 63.725,70.85 70.725,70.85 77.725,70.85 84.725,70.85 112.725,70.85 126.725,70.85 81.831,71.863 125.153,72.399 128.453,72.399 124.009,73.552 129.606,73.543 124.009,75.202 124.009,76.852 129.606,76.843 58.953,77.445 63.725,77.85 70.725,77.85 77.725,77.85 112.725,77.85 140.725,77.85 125.162,77.996 128.462,77.996 120.752,83.312 56.725,84.85 70.725,84.85 77.725,84.85 91.725,84.85 112.725,84.85 119.725,84.85 126.725,84.85 56.725,91.85 63.725,91.85 70.725,91.85 77.725,91.85 105.725,91.85 112.725,91.85 119.725,91.85 126.725,91.85
GPIO_1: P2.1 R58.2 | length 2.3
  Top Layer w0.3: R58.2@108.432,59.169 109.013,59.169 P2.1@110.779,59.169
GPIO_2: P2.3 R59.2 | length 2.3
  Top Layer w0.3: R59.2@108.432,56.629 109.013,56.629 P2.3@110.779,56.629
GPIO_3: P2.5 R60.2 | length 2.3
  Top Layer w0.3: R60.2@108.432,54.089 109.013,54.089 P2.5@110.779,54.089
GPIO_4: P2.7 R61.2 | length 2.3
  Top Layer w0.3: R61.2@108.432,51.549 P2.7@110.779,51.549
GSM_RX: M5.2 U4.47 | length 56.6
  Top Layer w0.3: M5.2@53.169,12.593 52.25,12.593 51.572,13.271 51.572,22.433 55.755,26.616 58.463,26.616 59.111,25.967 60.503,24.576 72.81,24.576 74.676,26.441 74.676,32.563 73.838,33.401 72.923,33.401 71.552,34.773 71.552,37.541 72.271,38.261 76.008,38.261 U4.47@76.965,38.261 U4.47@77.429,38.261
GSM_TX: M5.1 U4.48 | length 53.9
  Top Layer w0.3: M5.1@53.169,13.693 52.345,13.693 52.088,13.951 52.088,22.241 55.962,26.116 58.256,26.116 60.296,24.076 73.017,24.076 75.176,26.234 75.176,27.686 75.176,32.77 73.974,33.972 73.139,33.972 72.052,35.06 72.052,37.334 72.478,37.761 U4.48@76.965,37.761
IO0: M1.4 Q7.3 | length 24.1
  Top Layer w0.3: M1.4@130.207,82.198 130.207,83.302 129.626,83.883 129.626,85.992 131.124,87.49 135.061,87.49 136.077,86.474 136.077,76.549 136.662,75.965 Q7.3@138.477,75.965
IO_1: R58.1 U4.88 | length 28.5
  Top Layer w0.3: U4.88@92.065,42.761 94.244,42.761 99.903,42.761 101.876,44.734 101.876,56.21 104.835,59.169 R58.1@107.035,59.169
IO_2: R59.1 U4.87 | length 26.1
  Top Layer w0.3: U4.87@92.065,42.261 100.11,42.261 102.376,44.526 102.376,53.357 105.597,56.578 106.985,56.578 R59.1@107.035,56.629
IO_3: R60.1 U4.86 | length 24.1
  Top Layer w0.3: U4.86@92.065,41.761 94.522,41.761 100.317,41.761 102.876,44.319 102.876,51.241 105.724,54.089 106.454,54.089 R60.1@107.035,54.089
IO_4: R61.1 U4.85 | length 22.3
  Top Layer w0.3: U4.85@92.065,41.261 100.524,41.261 103.376,44.112 103.376,49.328 105.597,51.549 R61.1@107.035,51.549
"LED 2": D4.2 U4.59 | length 6.3
  Top Layer w0.3: D4.2@79.872,30.568 79.872,31.387 80.375,31.89 81.294,31.89 82.515,33.111 82.515,33.641 ; 82.515,33.641 U4.59@82.515,35.211
"LED 3": D5.2 U4.60 | length 5.1
  Top Layer w0.3: D5.2@81.976,30.568 81.976,31.864 83.015,32.904 U4.60@83.015,35.211
LED_1: D3.2 U4.58 | length 7.8
  Top Layer w0.3: D3.2@77.769,30.568 77.769,31.544 78.623,32.398 81.095,32.398 82.015,33.318 U4.58@82.015,35.211
LoRa_RX: M3.2 U4.69 | length 92
  Top Layer w0.3: U4.69@87.515,35.211 87.515,29.816 90.997,26.335 131.65,26.335 135.392,22.593 139.684,22.593 140.861,23.77 140.861,50.008 142.275,51.422 M3.2@143.858,51.422
LoRa_TX: M3.1 U4.68 | length 92.7
  Top Layer w0.3: U4.68@87.015,35.211 87.015,30.162 87.015,30.108 87.015,29.609 90.79,25.835 131.443,25.835 135.21,22.068 139.866,22.068 141.361,23.562 141.361,49.801 141.982,50.422 M3.1@143.858,50.422